# Altium PCB KlusterLab r2.0.PcbDoc (part 1 of 22) (continued)
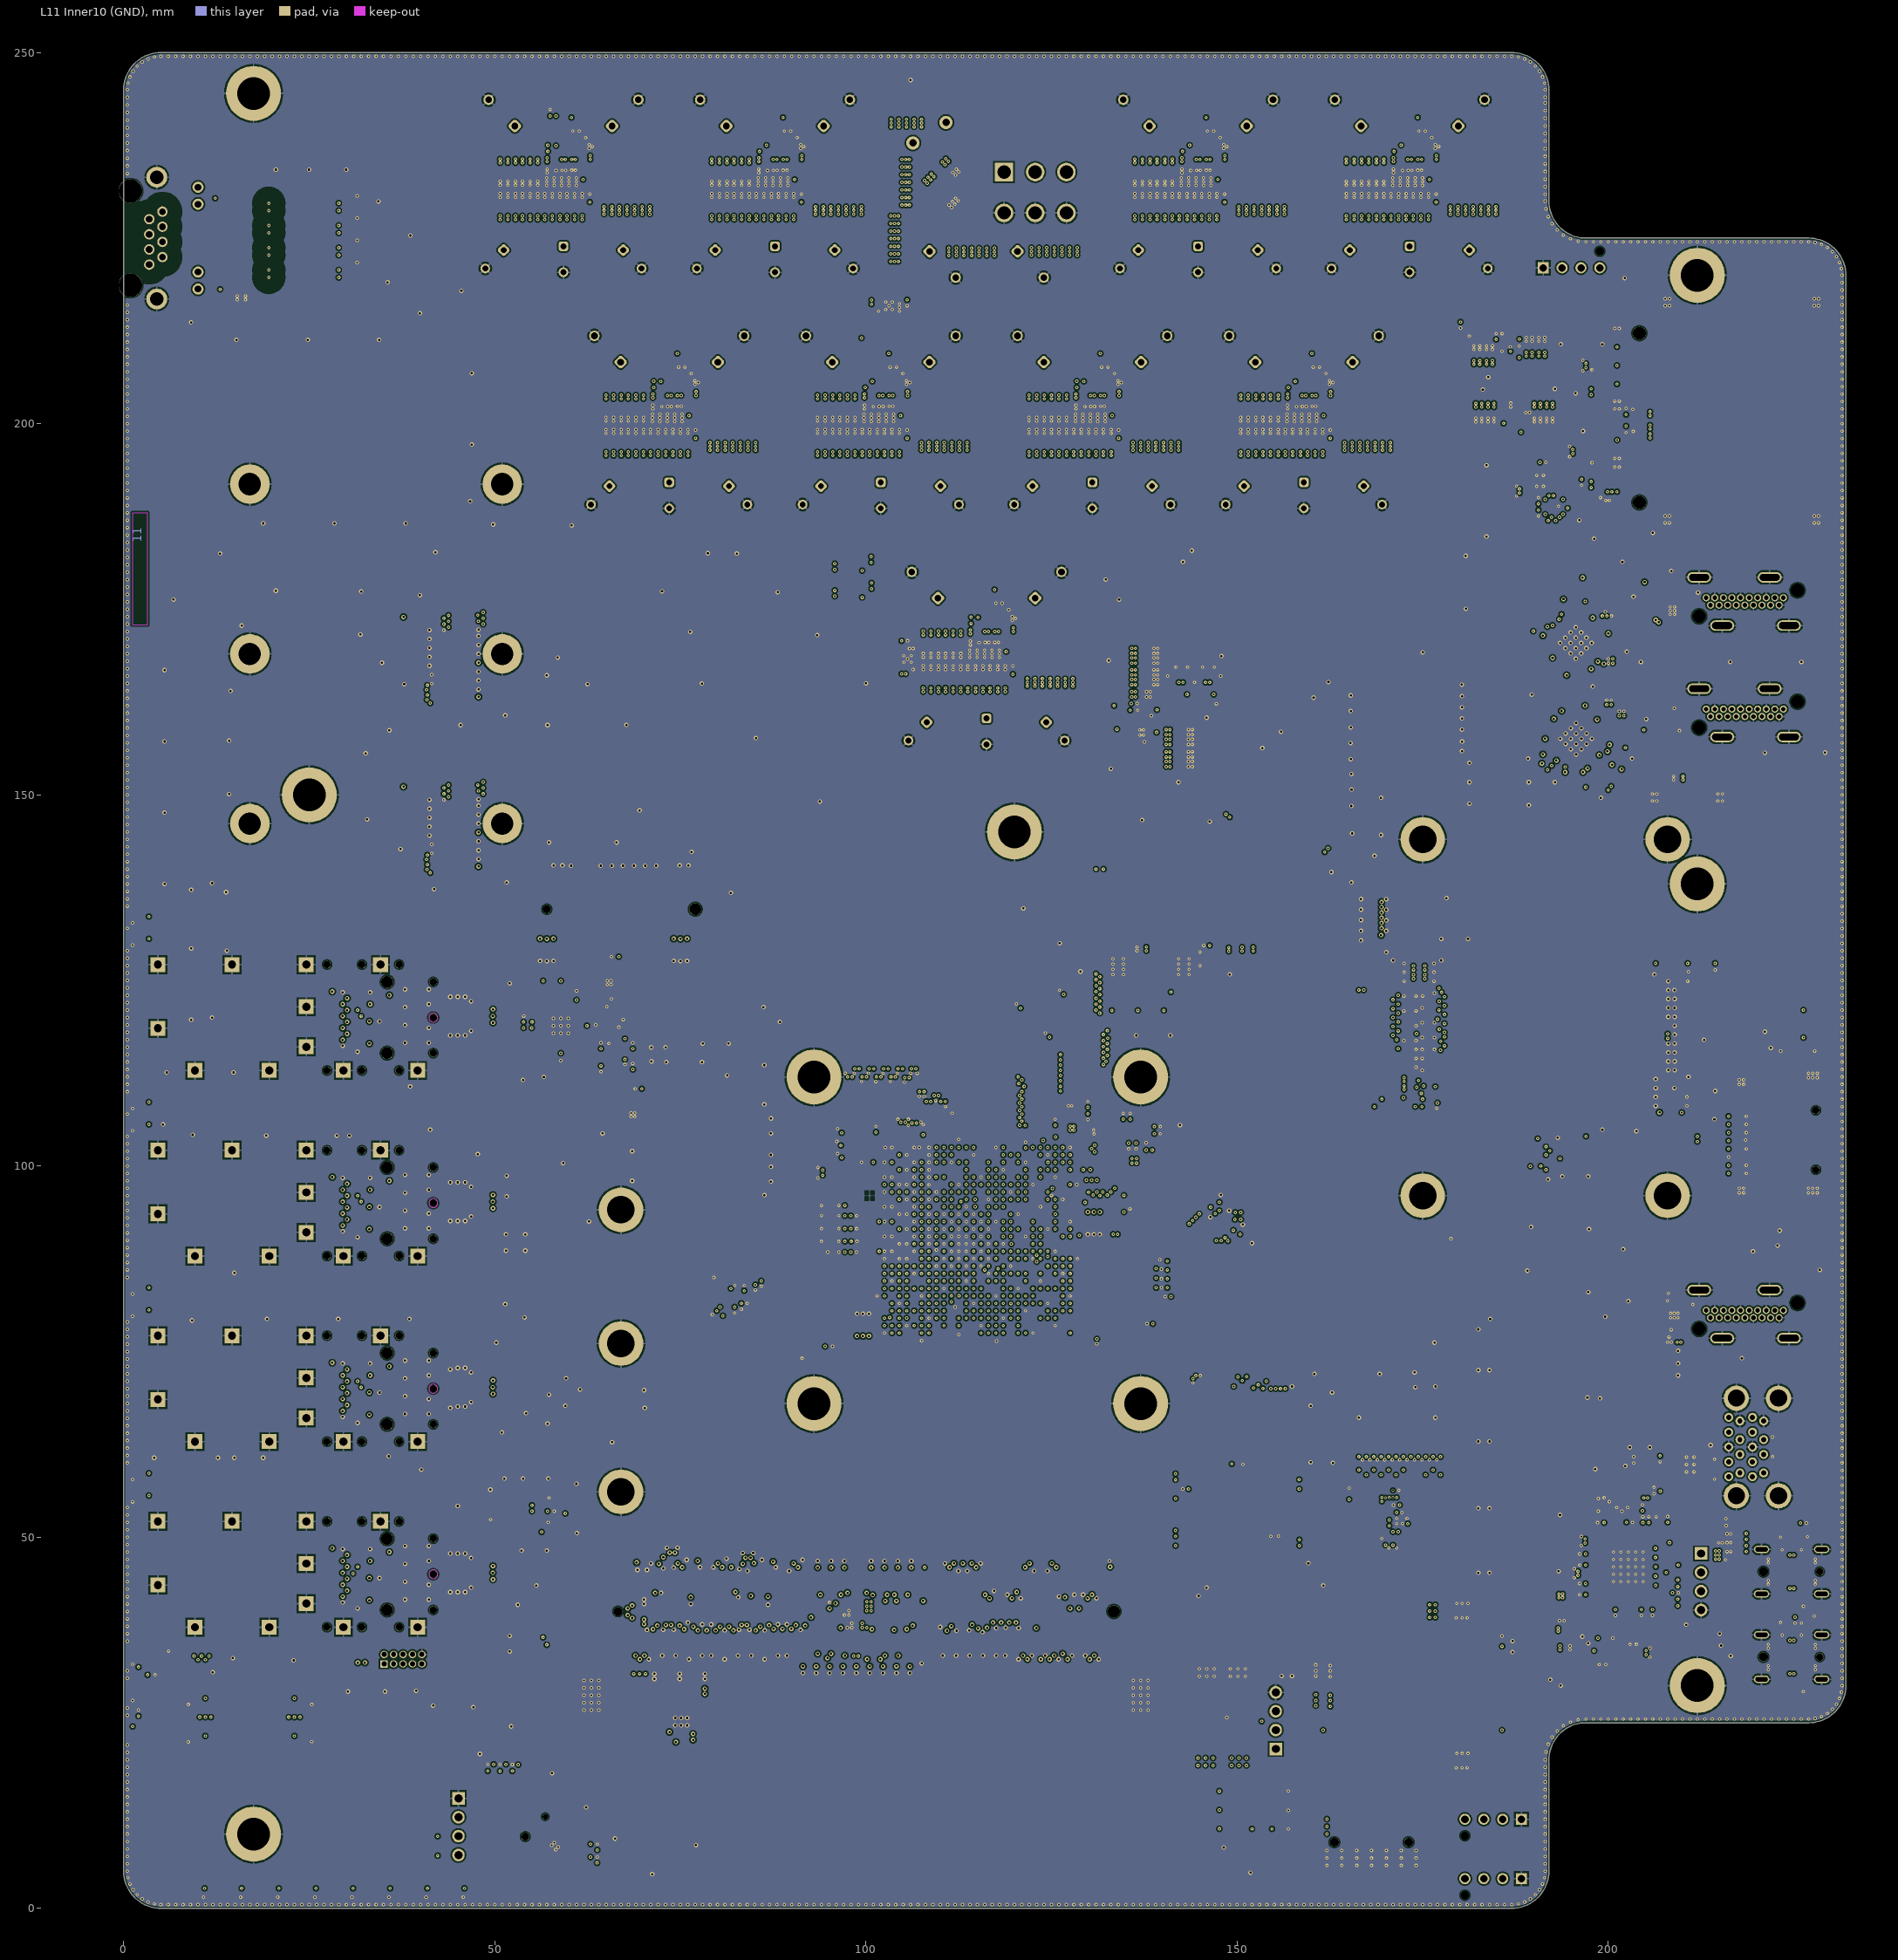
[diagram p11: L11 Inner10 (GND)]

## Layer stack, top to bottom
Top Solder: solder mask 0.0102, Solder Resist, Dk 3.5
L1 Top: signal copper 0.035
Dielectric 2: prepreg 0.0964, 2313*1, Dk 4.05
L2 Inner1 (GND): signal copper 0.0152
Dielectric 4: core 0.1, PP-006, Dk 4.6
L3 Inner2 (Sig): signal copper 0.0152
Dielectric 12: prepreg 0.0964, 2313*1, Dk 4.05
Dielectric 8: prepreg 0.0784, 1080*1, Dk 4.1
L4 Inner3 (GND): signal copper 0.0152
Dielectric 10: core 0.1, PP-006, Dk 4.6
L5 Inner4 (PWR): signal copper 0.0152
Dielectric 14: prepreg 0.0964, 2313*1, Dk 4.05
Dielectric 6: prepreg 0.0784, 1080*1, Dk 4.1
L6 Inner5 (PWR): signal copper 0.0152
Dielectric 1: core 0.1, FR-4, Dk 4.6
L7 Inner6 (PWR): signal copper 0.0152
Dielectric 7: prepreg 0.0784, 1080*1, Dk 4.1
Dielectric 15: prepreg 0.0964, 2313*1, Dk 4.05
L8 Inner7 (PWR): signal copper 0.0152
Dielectric 11: core 0.1, PP-006, Dk 4.6
L9 Inner8 (GND): signal copper 0.0152
Dielectric 9: prepreg 0.0784, 1080*1, Dk 4.1
Dielectric 13: prepreg 0.0964, 2313*1, Dk 4.05
L10 Inner9 (Sig): signal copper 0.0152
Dielectric 5: core 0.1, PP-006, Dk 4.6
L11 Inner10 (GND): signal copper 0.0152
Dielectric 3: prepreg 0.0964, 2313*1, Dk 4.05
L12 Bottom: signal copper 0.035
Bottom Solder: solder mask 0.0102, Solder Resist, Dk 3.5

## Board outline
5,0 cw(c5,5) 0,5 0,245 cw(c5,245) 5,250 187,250 cw(c187,245) 192,245 192,230 ccw(c197,230) 197,225 227,225 cw(c227,220) 232,220 232,30 cw(c227,30) 227,25 197,25 ccw(c197,20) 192,20 192,5 cw(c187,5) 187,0

## Design rules (kind name [scope] priority, off if disabled: settings)
BoardOutlineClearance [not OnLayer('Top Overlay') or not OnLayer('Bottom Overlay')] p1: gap=0 ignorepadtopadclearanceinfootprint=FALSE except(0.25: Poly-OutlineEdge)
Clearance Clearance_ETH-ISO [InNetClass('CM4_GBE_ISO') vs Not InNetClass('CM4_GBE_ISO') and Not InPadClass('GBE-CON-PADS')] p1: gap=2 ignorepadtopadclearanceinfootprint=FALSE
Clearance Clearance_CM4_GBE_ISO [InNetClass('CM4_GBE_ISO') vs NOT InNetClass('CM4_GBE_ISO')] p2: gap=1 ignorepadtopadclearanceinfootprint=FALSE
Clearance Clearance_Polygons_Diff [(InDifferentialPairClass('All Differential Pairs')) vs InPolygon and OnLayer('L1 TOP') or InPolygon and OnLayer('L12 Bottom')] p3: gap=0.4 ignorepadtopadclearanceinfootprint=FALSE
Clearance Clearance_Polygons_L3 [All vs InPolygon and OnLayer('L3 Inner2 (Sig)')] p4: gap=0.3 ignorepadtopadclearanceinfootprint=FALSE
Clearance Clearance_Polygons_L10 [All vs InPolygon and OnLayer('L10 Inner9 (Sig)')] p5: gap=0.3 ignorepadtopadclearanceinfootprint=FALSE
Clearance Clearance_Polygon [InPolygon] p6: gap=0.2 ignorepadtopadclearanceinfootprint=FALSE
Clearance [All] p7: gap=0.1 ignorepadtopadclearanceinfootprint=FALSE
ComponentClearance ComponentClearance_OLED [InComponent('J25') or InComponent('J1') vs IsFree and OnLayer('Top 3D Body')] p1: gap=0 collisioncheckmode=3 verticalgap=0 showdistances=FALSE
ComponentClearance ComponentClearance_CM4 [InComponent('PC1') vs (HasFootprint('9774030151R') OR HasFootprint('Hirose DF40HC(3.0)-100DS-0.4V_1-100') OR HasFootprint('Hirose DF40HC(3.0)-100DS-0.4V_101-200'))] p2: gap=-1 collisioncheckmode=3 verticalgap=-1 showdistances=FALSE
ComponentClearance ComponentClearance_Heatsink-FPGA [InComponent('HS1') vs InComponent('U1')] p3: gap=-1 collisioncheckmode=3 verticalgap=-1 showdistances=FALSE
ComponentClearance ComponentClearance_Heatsink-Spacer [InComponent('HS1') vs HasFootprint('9774020360R')] p4: gap=-1 collisioncheckmode=3 verticalgap=-1 showdistances=FALSE
ComponentClearance [All] p5: gap=0.2 collisioncheckmode=3 verticalgap=0.2 showdistances=FALSE
DiffPairsRouting DiffPair_100Diff [InNetClass('Diff100')] p1: maxlimit=0.23 minlimit=0.1 mostfreqgap=0.175 toplayer_maxgap=0.127 toplayer_prefgap=0.127 toplayer_minwidth=0.1 toplayer_maxwidth=0.114 toplayer_prefwidth=0.114 midlayer2_prefgap=0.23 midlayer2_minwidth=0.1 midlayer2_maxwidth=0.1 midlayer2_prefwidth=0.1 midlayer9_prefgap=0.23 midlayer9_minwidth=0.1 midlayer9_maxwidth=0.1 midlayer9_prefwidth=0.1 bottomlayer_maxgap=0.127 bottomlayer_prefgap=0.127 bottomlayer_minwidth=0.1 bottomlayer_maxwidth=0.114 bottomlayer_prefwidth=0.114 impedanceprofiledriven=TRUE impedanceprofileid={BF88197C-CBD8-4D93-BE4E-EF43076180D9} impedanceprofilevalue=100.000000 maxuncoupledlength=12.7
DiffPairsRouting DiffPair_90Diff [InNetClass('Diff90')] p2: maxlimit=0.175 minlimit=0.1 mostfreqgap=0.175 toplayer_maxgap=0.127 toplayer_prefgap=0.127 toplayer_minwidth=0.1 toplayer_maxwidth=0.146 toplayer_prefwidth=0.146 midlayer2_maxgap=0.14 midlayer2_prefgap=0.14 midlayer2_minwidth=0.1 midlayer2_maxwidth=0.1 midlayer2_prefwidth=0.1 midlayer9_maxgap=0.14 midlayer9_prefgap=0.14 midlayer9_minwidth=0.1 midlayer9_maxwidth=0.1 midlayer9_prefwidth=0.1 bottomlayer_maxgap=0.127 bottomlayer_prefgap=0.127 bottomlayer_minwidth=0.1 bottomlayer_maxwidth=0.146 bottomlayer_prefwidth=0.146 impedanceprofiledriven=TRUE impedanceprofileid={774E652B-FE8E-4A59-A6B0-887FC34641FD} impedanceprofilevalue=90.000000 maxuncoupledlength=12.7
DiffPairsRouting DiffPair_85Diff [InNetClass('Diff85')] p3: maxlimit=0.206 minlimit=0.1 mostfreqgap=0.206 toplayer_maxgap=0.127 toplayer_prefgap=0.127 toplayer_minwidth=0.1 toplayer_maxwidth=0.166 toplayer_prefwidth=0.166 midlayer2_maxgap=0.127 midlayer2_prefgap=0.127 midlayer2_minwidth=0.1 midlayer2_maxwidth=0.11 midlayer2_prefwidth=0.11 midlayer9_maxgap=0.127 midlayer9_prefgap=0.127 midlayer9_minwidth=0.1 midlayer9_maxwidth=0.11 midlayer9_prefwidth=0.11 bottomlayer_maxgap=0.127 bottomlayer_prefgap=0.127 bottomlayer_minwidth=0.1 bottomlayer_maxwidth=0.166 bottomlayer_prefwidth=0.166 impedanceprofiledriven=TRUE impedanceprofileid={09B34747-5A55-4D1F-9727-44D51C09D750} impedanceprofilevalue=85.000000 maxuncoupledlength=12.7
DiffPairsRouting DiffPair_80Diff [InNetClass('Diff80')] p4: maxlimit=0.206 minlimit=0.1 mostfreqgap=0.206 toplayer_maxgap=0.127 toplayer_prefgap=0.127 toplayer_minwidth=0.1 toplayer_maxwidth=0.189 toplayer_prefwidth=0.189 midlayer2_maxgap=0.127 midlayer2_prefgap=0.127 midlayer2_minwidth=0.1 midlayer2_maxwidth=0.126 midlayer2_prefwidth=0.126 midlayer9_maxgap=0.127 midlayer9_prefgap=0.127 midlayer9_minwidth=0.1 midlayer9_maxwidth=0.126 midlayer9_prefwidth=0.126 bottomlayer_maxgap=0.127 bottomlayer_prefgap=0.127 bottomlayer_minwidth=0.1 bottomlayer_maxwidth=0.189 bottomlayer_prefwidth=0.189 impedanceprofiledriven=TRUE impedanceprofileid={47C146EE-4F33-4E0A-989E-530700B91002} impedanceprofilevalue=80.000000 maxuncoupledlength=12.7
DiffPairsRouting [All] p5: maxlimit=0.254 minlimit=0.1 mostfreqgap=0.254 toplayer_minwidth=0.1 toplayer_maxwidth=0.381 toplayer_prefwidth=0.381 midlayer1_minwidth=0.1 midlayer1_maxwidth=0.381 midlayer1_prefwidth=0.381 midlayer2_minwidth=0.1 midlayer2_maxwidth=0.381 midlayer2_prefwidth=0.381 midlayer3_minwidth=0.1 midlayer3_maxwidth=0.381 midlayer3_prefwidth=0.381 midlayer4_minwidth=0.1 midlayer4_maxwidth=0.381 midlayer4_prefwidth=0.381 midlayer5_minwidth=0.1 midlayer5_maxwidth=0.381 midlayer5_prefwidth=0.381 midlayer6_minwidth=0.1 midlayer6_maxwidth=0.381 midlayer6_prefwidth=0.381 midlayer7_minwidth=0.1 midlayer7_maxwidth=0.381 midlayer7_prefwidth=0.381 midlayer8_minwidth=0.1 midlayer8_maxwidth=0.381 midlayer8_prefwidth=0.381 midlayer9_minwidth=0.1 midlayer9_maxwidth=0.381 midlayer9_prefwidth=0.381 midlayer10_minwidth=0.1 midlayer10_maxwidth=0.381 midlayer10_prefwidth=0.381 bottomlayer_minwidth=0.1 bottomlayer_maxwidth=0.381 bottomlayer_prefwidth=0.381 maxuncoupledlength=12.7
Height [All] p1: minheight=0 maxheight=60 prefheight=12.7
HoleSize [All] p1: absolutevalues=TRUE maxlimit=6.3 minlimit=0.2 maxpercent=80.000 minpercent=20.000
HoleToHoleClearance [All] p1: gap=0.12 allowstackedmicrovias=TRUE
MatchedLengths intradiffpair-Skew-All [InDifferentialPairClass('All Differential Pairs')] p1: tolerance=0.15 checknetsindiffpair=TRUE checkdiffpairvsdiffpair=FALSE checkxsignals=FALSE checkothers=FALSE usedelayunits=TRUE delaytolerance=1.000000
MatchedLengths SDCARD-LS-U38-J19_Group [InxSignalClass('xSignals_SDCARD-LS_U38-J19')] p2: tolerance=0.1 checknetsindiffpair=FALSE checkdiffpairvsdiffpair=TRUE checkxsignals=TRUE checkothers=TRUE usedelayunits=TRUE delaytolerance=1.000000
MatchedLengths SDCARD-LS_U1-U38_Group [InxSignalClass('xSignals_SDCARD-LS_U1-U38')] p3: tolerance=0.1 checknetsindiffpair=FALSE checkdiffpairvsdiffpair=TRUE checkxsignals=TRUE checkothers=TRUE usedelayunits=TRUE delaytolerance=1.000000
MatchedLengths FPGA-HDMI-RX_Group [InxSignalClass('xSignals_HDMI-FPGA-RX_U1-U21')] p4: tolerance=0.1 checknetsindiffpair=FALSE checkdiffpairvsdiffpair=TRUE checkxsignals=TRUE checkothers=TRUE usedelayunits=TRUE delaytolerance=1.000000
MatchedLengths FPGA-HDMI-TX_Group [InxSignalClass('xSignals_HDMI-FPGA-TX_U1-U19')] p5: tolerance=0.1 checknetsindiffpair=FALSE checkdiffpairvsdiffpair=TRUE checkxsignals=TRUE checkothers=TRUE usedelayunits=TRUE delaytolerance=1.000000
MatchedLengths HDMI-FPGA-RX_Group [InxSignalClass('xSignals_HDMI-FPGA-RX_U21-J24')] p6: tolerance=0.1 checknetsindiffpair=FALSE checkdiffpairvsdiffpair=TRUE checkxsignals=TRUE checkothers=TRUE usedelayunits=TRUE delaytolerance=1.000000
MatchedLengths HDMI-FPGA-TX_Group [InxSignalClass('xSignals_HDMI-FPGA-TX_U19-J23')] p7: tolerance=0.1 checknetsindiffpair=FALSE checkdiffpairvsdiffpair=TRUE checkxsignals=TRUE checkothers=TRUE usedelayunits=TRUE delaytolerance=1.000000
MatchedLengths PI-HDMI_Group [InxSignalClass('xSignals_PI-HDMI_J8-J11')] p8: tolerance=0.1 checknetsindiffpair=FALSE checkdiffpairvsdiffpair=TRUE checkxsignals=TRUE checkothers=TRUE
MatchedLengths CM4-µSD_J7-J12 [InxSignalClass('xSignals_CM4-µSD_J7-J12')] p9: tolerance=5 checknetsindiffpair=FALSE checkdiffpairvsdiffpair=TRUE checkxsignals=TRUE checkothers=TRUE
MatchedLengths GBE_T1-J34_Group [InxSignalClass('xSignals_GBE_T1-J34')] p10: tolerance=7.5 checknetsindiffpair=FALSE checkdiffpairvsdiffpair=TRUE checkxsignals=TRUE checkothers=TRUE
MatchedLengths GBE_J7-T1_Group [InxSignalClass('xSignals_GBE_J7-T1')] p11: tolerance=1 checknetsindiffpair=FALSE checkdiffpairvsdiffpair=TRUE checkxsignals=TRUE checkothers=TRUE
MatchedLengths CRUVI-A-HS [InxSignalClass('xSignals_CRUVI-A-HS_U1-J21')] p12: tolerance=0.1 checknetsindiffpair=FALSE checkdiffpairvsdiffpair=TRUE checkxsignals=TRUE checkothers=TRUE usedelayunits=TRUE delaytolerance=1.000000
MatchedLengths CRUVI-B-HS [InxSignalClass('xSignals_CRUVI-B-HS_U1-J27')] p13: tolerance=0.1 checknetsindiffpair=FALSE checkdiffpairvsdiffpair=TRUE checkxsignals=TRUE checkothers=TRUE usedelayunits=TRUE delaytolerance=1.000000
MatchedLengths CM4-GPIO [InxSignalClass('xSignals_CM4-GPIO_U1-J7')] p14: tolerance=0.5 checknetsindiffpair=FALSE checkdiffpairvsdiffpair=TRUE checkxsignals=TRUE checkothers=TRUE usedelayunits=TRUE delaytolerance=30.000000
MatchedLengths QSPI-FLASH [InxSignalClass('xSignals_QSPI-FLASH_U1-U17')] p15: tolerance=0.1 checknetsindiffpair=FALSE checkdiffpairvsdiffpair=TRUE checkxsignals=TRUE checkothers=TRUE usedelayunits=TRUE delaytolerance=5.000000
MatchedLengths eMMC [InxSignalClass('xSignals_eMMC_U1-U14')] p16: tolerance=0.1 checknetsindiffpair=FALSE checkdiffpairvsdiffpair=TRUE checkxsignals=TRUE checkothers=TRUE usedelayunits=TRUE delaytolerance=2.500000
MatchedLengths DDR3-Intra-Byte0 [InNetClass('DDR3_LANE0')] p17: tolerance=25.4 checknetsindiffpair=FALSE checkdiffpairvsdiffpair=TRUE checkxsignals=TRUE checkothers=TRUE usedelayunits=TRUE delaytolerance=5.000000
MatchedLengths DDR3-Intra-Byte1 [InNetClass('DDR3_LANE1')] p18: tolerance=25.4 checknetsindiffpair=FALSE checkdiffpairvsdiffpair=TRUE checkxsignals=TRUE checkothers=TRUE usedelayunits=TRUE delaytolerance=5.000000
MatchedLengths DDR3-Intra-Byte2 [InNetClass('DDR3_LANE2')] p19: tolerance=25.4 checknetsindiffpair=FALSE checkdiffpairvsdiffpair=TRUE checkxsignals=TRUE checkothers=TRUE usedelayunits=TRUE delaytolerance=5.000000
MatchedLengths DDR3-Intra-Byte3 [InNetClass('DDR3_LANE3')] p20: tolerance=25.4 checknetsindiffpair=FALSE checkdiffpairvsdiffpair=TRUE checkxsignals=TRUE checkothers=TRUE usedelayunits=TRUE delaytolerance=5.000000
MatchedLengths DDR3-Intra-Byte4 [InNetClass('DDR3_LANE4')] p21: tolerance=25.4 checknetsindiffpair=FALSE checkdiffpairvsdiffpair=TRUE checkxsignals=TRUE checkothers=TRUE usedelayunits=TRUE delaytolerance=5.000000
MatchedLengths DDR3-Intra-Byte5 [InNetClass('DDR3_LANE5')] p22: tolerance=25.4 checknetsindiffpair=FALSE checkdiffpairvsdiffpair=TRUE checkxsignals=TRUE checkothers=TRUE usedelayunits=TRUE delaytolerance=5.000000
MatchedLengths DDR3-Intra-Byte6 [InNetClass('DDR3_LANE6')] p23: tolerance=25.4 checknetsindiffpair=FALSE checkdiffpairvsdiffpair=TRUE checkxsignals=TRUE checkothers=TRUE usedelayunits=TRUE delaytolerance=5.000000
MatchedLengths DDR3-Intra-Byte7 [InNetClass('DDR3_LANE7')] p24: tolerance=25.4 checknetsindiffpair=FALSE checkdiffpairvsdiffpair=TRUE checkxsignals=TRUE checkothers=TRUE usedelayunits=TRUE delaytolerance=5.000000
MatchedLengths DDR3-Intra-ADDR_CMD [InNetClass('DDR3_ADDR_CMD')] p25: tolerance=25.4 checknetsindiffpair=FALSE checkdiffpairvsdiffpair=TRUE checkxsignals=TRUE checkothers=TRUE usedelayunits=TRUE delaytolerance=10.000000
PolygonConnect [All] p1: thpad.connectstyle=Relief thpad.reliefconductorwidth=0.254 thpad.reliefentries=4 thpad.polygonreliefangle="90 Angle" thpad.airgapwidth=0.254 smdpad.connectstyle=Direct smdpad.reliefconductorwidth=0.254 smdpad.reliefentries=4 smdpad.polygonreliefangle="90 Angle" smdpad.airgapwidth=0.254 via.connectstyle=Direct via.reliefconductorwidth=0.254 via.reliefentries=4 via.polygonreliefangle="90 Angle" via.airgapwidth=0.254
RoomDefinition "U_USB Connectors" [InComponentClass('U_USB Connectors')] p1: confinementstyle=ConfineIn formatcopy=TRUE lockcomponents=FALSE outline -30,-30 20.8,-30 20.8,-4.6 -30,-4.6
RoomDefinition U_PSU_VCC_CRUVI_ADJ_Buck [InComponentClass('U_PSU_VCC_CRUVI_ADJ_Buck')] p2: confinementstyle=ConfineIn formatcopy=TRUE lockcomponents=FALSE outline -30,-30 20.8,-30 20.8,-4.6 -30,-4.6
RoomDefinition U_PSU_VCC5V_Buck [InComponentClass('U_PSU_VCC5V_Buck')] p3: confinementstyle=ConfineIn formatcopy=TRUE lockcomponents=FALSE outline -30,-30 20.8,-30 20.8,-4.6 -30,-4.6
RoomDefinition U_PSU_VCC3V3_Buck [InComponentClass('U_PSU_VCC3V3_Buck')] p4: confinementstyle=ConfineIn formatcopy=TRUE lockcomponents=FALSE outline -30,-30 20.8,-30 20.8,-4.6 -30,-4.6
RoomDefinition U_PSU_VCC2V5_Buck [InComponentClass('U_PSU_VCC2V5_Buck')] p5: confinementstyle=ConfineIn formatcopy=TRUE lockcomponents=FALSE outline -30,-30 20.8,-30 20.8,-4.6 -30,-4.6
RoomDefinition U_PSU_VCC1V8AUX_Buck [InComponentClass('U_PSU_VCC1V8AUX_Buck')] p6: confinementstyle=ConfineIn formatcopy=TRUE lockcomponents=FALSE outline -30,-30 20.8,-30 20.8,-4.6 -30,-4.6
RoomDefinition U_PSU_VCC1V8_Buck [InComponentClass('U_PSU_VCC1V8_Buck')] p7: confinementstyle=ConfineIn formatcopy=TRUE lockcomponents=FALSE outline -30,-30 20.8,-30 20.8,-4.6 -30,-4.6
RoomDefinition U_PSU_VCC1V5_Buck [InComponentClass('U_PSU_VCC1V5_Buck')] p8: confinementstyle=ConfineIn formatcopy=TRUE lockcomponents=FALSE outline -30,-30 20.8,-30 20.8,-4.6 -30,-4.6
RoomDefinition U_PSU_MGTAVTT_Buck [InComponentClass('U_PSU_MGTAVTT_Buck')] p9: confinementstyle=ConfineIn formatcopy=TRUE lockcomponents=FALSE outline -30,-30 20.8,-30 20.8,-4.6 -30,-4.6
RoomDefinition U_PSU_MGTAVCC_Buck [InComponentClass('U_PSU_MGTAVCC_Buck')] p10: confinementstyle=ConfineIn formatcopy=TRUE lockcomponents=FALSE outline -30,-30 20.8,-30 20.8,-4.6 -30,-4.6
RoomDefinition U_Power-Tree [InComponentClass('U_Power-Tree')] p11: confinementstyle=ConfineIn formatcopy=TRUE lockcomponents=FALSE outline -30,-30 20.8,-30 20.8,-4.6 -30,-4.6
RoomDefinition U_Memory-SD_UHS_II [InComponentClass('U_Memory-SD_UHS_II')] p12: confinementstyle=ConfineIn formatcopy=TRUE lockcomponents=FALSE outline -30,-30 20.8,-30 20.8,-4.6 -30,-4.6
RoomDefinition U_Memory-QSPI_Flash-eMMC [InComponentClass('U_Memory-QSPI_Flash-eMMC')] p13: confinementstyle=ConfineIn formatcopy=TRUE lockcomponents=FALSE outline -30,-30 20.8,-30 20.8,-4.6 -30,-4.6
RoomDefinition "U_Cruvi Pinheader" [InComponentClass('U_Cruvi Pinheader')] p14: confinementstyle=ConfineIn formatcopy=TRUE lockcomponents=FALSE outline -30,-30 20.8,-30 20.8,-4.6 -30,-4.6
RoomDefinition U_USB-HUB-MUX [InComponentClass('U_USB-HUB-MUX')] p15: confinementstyle=ConfineIn formatcopy=TRUE lockcomponents=FALSE outline -30,-30 20.8,-30 20.8,-4.6 -30,-4.6
RoomDefinition "U_System Clocks" [InComponentClass('U_System Clocks')] p16: confinementstyle=ConfineIn formatcopy=TRUE lockcomponents=FALSE outline -30,-30 20.8,-30 20.8,-4.6 -30,-4.6
RoomDefinition "U_SSD M.2_B-Key" [InComponentClass('U_SSD M.2_B-Key')] p17: confinementstyle=ConfineIn formatcopy=TRUE lockcomponents=FALSE outline -30,-30 20.8,-30 20.8,-4.6 -30,-4.6
RoomDefinition "U_SMI Bank 12" [InComponentClass('U_SMI Bank 12')] p18: confinementstyle=ConfineIn formatcopy=TRUE lockcomponents=FALSE outline -30,-30 20.8,-30 20.8,-4.6 -30,-4.6
RoomDefinition U_SFP+_Connectors [InComponentClass('U_SFP+_Connectors')] p19: confinementstyle=ConfineIn formatcopy=TRUE lockcomponents=FALSE outline -30,-30 20.8,-30 20.8,-4.6 -30,-4.6
RoomDefinition "U_Raspberry Pi CM4_Periphery" [InComponentClass('U_Raspberry Pi CM4_Periphery')] p20: confinementstyle=ConfineIn formatcopy=TRUE lockcomponents=FALSE outline -30,-30 20.8,-30 20.8,-4.6 -30,-4.6
RoomDefinition "U_Raspberry Pi CM4" [InComponentClass('U_Raspberry Pi CM4')] p21: confinementstyle=ConfineIn formatcopy=TRUE lockcomponents=FALSE outline -30,-30 20.8,-30 20.8,-4.6 -30,-4.6
RoomDefinition "U_MGT Banks 115-116" [InComponentClass('U_MGT Banks 115-116')] p22: confinementstyle=ConfineIn formatcopy=TRUE lockcomponents=FALSE outline -30,-30 20.8,-30 20.8,-4.6 -30,-4.6
RoomDefinition "U_I2C Multiplexer" [InComponentClass('U_I2C Multiplexer')] p23: confinementstyle=ConfineIn formatcopy=TRUE lockcomponents=FALSE outline -30,-30 20.8,-30 20.8,-4.6 -30,-4.6
RoomDefinition U_HMI [InComponentClass('U_HMI')] p24: confinementstyle=ConfineIn formatcopy=TRUE lockcomponents=FALSE outline -30,-30 20.8,-30 20.8,-4.6 -30,-4.6
RoomDefinition "U_FPGA Supply Pins" [InComponentClass('U_FPGA Supply Pins')] p25: confinementstyle=ConfineIn formatcopy=TRUE lockcomponents=FALSE outline -30,-30 20.8,-30 20.8,-4.6 -30,-4.6
RoomDefinition U_FPGA_HDMI_IN_OUT [InComponentClass('U_FPGA_HDMI_IN_OUT')] p26: confinementstyle=ConfineIn formatcopy=TRUE lockcomponents=FALSE outline -30,-30 20.8,-30 20.8,-4.6 -30,-4.6
RoomDefinition "U_DDR3 Memory_SO-DIMM" [InComponentClass('U_DDR3 Memory_SO-DIMM')] p27: confinementstyle=ConfineIn formatcopy=TRUE lockcomponents=FALSE outline -30,-30 20.8,-30 20.8,-4.6 -30,-4.6
RoomDefinition "U_DDR3 Memory_Banks 32-33-34" [InComponentClass('U_DDR3 Memory_Banks 32-33-34')] p28: confinementstyle=ConfineIn formatcopy=TRUE lockcomponents=FALSE outline -30,-30 20.8,-30 20.8,-4.6 -30,-4.6
RoomDefinition "U_Bank 13_Bank 15_Bank 16" [InComponentClass('U_Bank 13_Bank 15_Bank 16')] p29: confinementstyle=ConfineIn formatcopy=TRUE lockcomponents=FALSE outline -30,-30 20.8,-30 20.8,-4.6 -30,-4.6
RoomDefinition "U_Bank 0_Bank 14" [InComponentClass('U_Bank 0_Bank 14')] p30: confinementstyle=ConfineIn formatcopy=TRUE lockcomponents=FALSE outline -30,-30 20.8,-30 20.8,-4.6 -30,-4.6
RoutingTopology RoutingTopology_DDRAddressAndControls [InNetClass('DDR_AddressAndControls')] p1: topology=Daisy_Simple
RoutingTopology [All] p2: topology=Shortest
RoutingVias [All] p1: holewidth=0.3 width=0.6 viastyle="Through Hole" minholewidth=0.2 minwidth=0.4 maxholewidth=0.5 maxwidth=1
SolderMaskExpansion [All] p1: expansion=0.05 istentingtop=FALSE
Width Width_SE40 [InNetClass('40OHM')] p1: maxlimit=0.254 minlimit=0.1 preferedwidth=0.254 toplayer_maxwidth=0.249 toplayer_prefwidth=0.249 midlayer2_maxwidth=0.154 midlayer2_prefwidth=0.154 midlayer9_maxwidth=0.154 midlayer9_prefwidth=0.154 bottomlayer_maxwidth=0.249 bottomlayer_prefwidth=0.249 impedanceprofiledriven=TRUE impedanceprofileid={23CC7CA0-8816-4B2A-9382-A91196597ECF} impedanceprofilevalue=40.000000 minimp=50.000000 maximp=50.000000 favimp=50.000000
Width [All] p2: maxlimit=5 minlimit=0.1 preferedwidth=0.15
24 further rules are at their usual default settings.
